# Allegro board 038RT-9068CJK8E-A100_0921.brd (continued)
## Placement (name value [footprint] x y rotation side) (continued)
UNK1CG31  0.1U-16-X7R-S4-TY  [C0402_UNBGA_V2]  602 201.02 270 bottom
UNK1CG32  0.1U-16-X7R-S4-TY  [C0402_UNBGA_V2]  603.2 201.42 0 bottom
UNK1CG33  0.1U-16-X7R-S4-TY  [C0402_UNBGA_V2]  593.6 203.02 0 bottom
UNK1CG34  0.1U-16-X7R-S4-TY  [C0402_UNBGA_V2]  593.6 203.82 0 bottom
UNK1CG35  0.1U-16-X7R-S4-TY  [C0402_UNBGA_V2]  592 210.22 0 bottom
UNK1CG36  0.1U-16-X7R-S4-TY  [C0402_UNBGA_V2]  601.6 203.82 0 bottom
UNK1CG37  0.1U-16-X7R-S4-TY  [C0402_UNBGA_V2]  592.8 204.62 0 bottom
UNK1CG38  0.1U-16-X7R-S4-TY  [C0402_UNBGA_V2]  603.6 202.62 90 bottom
UNK1CG39  2.2U-10-X7S-S4-MU  [C0402_UNBGA_V2]  592 205.42 0 bottom
UNK1CG40  2.2U-10-X7S-S4-MU  [C0402_UNBGA_V2]  602 202.62 90 bottom
UNK1CG41  2.2U-10-X7S-S4-MU  [C0402_UNBGA_V2]  592 207.82 0 bottom
UNK1CG42  0.1U-16-X7R-S4-TY  [C0402_UNBGA_V2]  592.8 208.62 0 bottom
UNK1CG43  2.2U-10-X7S-S4-MU  [C0402_UNBGA_V2]  602.8 202.62 90 bottom
UNK1CG44  0.1U-16-X7R-S4-TY  [C0402_UNBGA_V2]  592 206.22 0 bottom
UNK1CG45  10U-16-X7R-S8-SS  [C0805]  617.08 142.24 180 top
UNK1CG46  10U-16-X7R-S8-SS  [C0805]  622.79 142.24 180 top
UNK1CG47  47U-10-X7R-SB-MU  [C1210]  617.08 137.8 270 top
UNK1CG48  NC/100U-16-T-SC  [CODE_C]  617.08 129.54 270 top
UNK1CG49  47U-10-X7R-SB-MU  [C1210]  622.79 137.8 270 top
UNK1CG50  NC/100U-16-T-SC  [CODE_C]  622.79 129.54 270 top
UNK1CG51  0.1U-16-X7R-S4-TY  [C0402_UNBGA_V2]  600.4 201.02 270 bottom
UNK1CG52  0.1U-16-X7R-S4-TY  [C0402_UNBGA_V2]  604 203.82 180 bottom
UNK1CG53  0.1U-16-X7R-S4-TY  [C0402_UNBGA_V2]  601.2 201.02 270 bottom
UNK1CG54  0.1U-16-X7R-S4-TY  [C0402_UNBGA_V2]  593.6 206.22 0 bottom
UNK1CG55  0.1U-16-X7R-S4-TY  [C0402_UNBGA_V2]  603.2 210.22 0 bottom
UNK1CG56  0.1U-16-X7R-S4-TY  [C0402_UNBGA_V2]  602.8 211.42 90 bottom
UNK1CG57  2.2U-10-X7S-S4-MU  [C0402_UNBGA_V2]  604.8 203.02 0 bottom
UNK1CG58  0.1U-16-X7R-S4-TY  [C0402_UNBGA_V2]  603.6 211.42 90 bottom
UNK1CG59  0.1U-16-X7R-S4-TY  [C0402_UNBGA_V2]  592.8 201.42 180 bottom
UNK1CG60  0.1U-16-X7R-S4-TY  [C0402_UNBGA_V2]  592.8 202.22 180 bottom
UNK1CG61  2.2U-10-X7S-S4-MU  [C0402_UNBGA_V2]  604.4 205.02 90 bottom
UNK1CG62  2.2U-10-X7S-S4-MU  [C0402_UNBGA_V2]  603.2 209.42 0 bottom
UNK1CG63  2.2U-10-X7S-S4-MU  [C0402_UNBGA_V2]  604 199.82 180 bottom
UNK1CG64  2.2U-10-X7S-S4-MU  [C0402_UNBGA_V2]  592.8 207.02 180 bottom
UNK1CG65  2.2U-10-X7S-S4-MU  [C0402_UNBGA_V2]  601.2 202.62 90 bottom
UNK1CG66  2.2U-10-X7S-S4-MU  [C0402_UNBGA_V2]  603.2 208.62 0 bottom
UNK1CG67  2.2U-10-X7S-S4-MU  [C0402_UNBGA_V2]  600.4 202.62 90 bottom
UNK1CG68  0.1U-16-X7R-S4-TY  [C0402_UNBGA_V2]  601.6 209.42 180 bottom
UNK1CG69  2.2U-10-X7S-S4-MU  [C0402_UNBGA_V2]  602 205.82 90 bottom
UNK1CG70  2.2U-10-X7S-S4-MU  [C0402_UNBGA_V2]  604 200.62 180 bottom
UNK1CG71  0.1U-16-X7R-S4-TY  [C0402_UNBGA_V2]  601.6 208.62 180 bottom
UNK1CG72  0.1U-16-X7R-S4-TY  [C0402_UNBGA_V2]  600.4 209.82 270 bottom
UNK1CG73  0.1U-16-X7R-S4-TY  [C0402_UNBGA_V2]  601.6 207.82 0 bottom
UNK1CG74  10U-16-X7R-S8-SS  [C0805]  602.92 223.6 90 bottom
UNK1CG75  10U-16-X7R-S8-SS  [C0805]  594.49 225.94 180 bottom
UNK1CG76  47U-10-X7R-SB-MU  [C1210]  604.38 161.29 270 top
UNK1CG77  NC/100U-16-T-SC  [CODE_C]  598.03 152.4 270 top
UNK1CG78  47U-10-X7R-SB-MU  [C1210]  598.03 161.29 270 top
UNK1CG79  NC/100U-16-T-SC  [CODE_C]  604.38 152.4 270 top
UNK1CG80  1U-16-X-S6-TY  [C0603]  584.55 205.11 90 bottom
UNK1CG81  10U-16-X7R-S8-SS  [C0805]  582.8 205.14 90 bottom
UNK1CG82  1U-16-X-S6-TY  [C0603]  583.06 210.33 270 bottom
UNK1CG83  0.1U-16-X7R-S4-TY  [C0402_UNBGA_V2]  596.4 203.42 270 bottom
UNK1CG84  0.1U-16-X7R-S4-TY  [C0402_UNBGA_V2]  595.2 203.82 180 bottom
UNK1CG85  0.1U-16-X7R-S4-TY  [C0402_UNBGA_V2]  595.2 203.02 180 bottom
UNK1CG86  10U-16-X7R-S8-SS  [C0805]  581.31 210.36 270 bottom
UNK1CG87  1U-16-X-S6-TY  [C0603]  594.47 217.75 0 bottom
UNK1CG88  10U-16-X7R-S8-SS  [C0805]  594.5 219.5 0 bottom
UNK1CG89  0.1U-16-X7R-S4-TY  [C0402_UNBGA_V2]  584.24 196.34 90 bottom
UNK1CG90  1U-16-X-S6-TY  [C0603]  598.28 217.75 180 bottom
UNK1CG91  0.1U-16-X7R-S4-TY  [C0402_UNBGA_V2]  592.37 203.42 90 bottom
UNK1CG92  0.1U-16-X7R-S4-TY  [C0402_UNBGA_V2]  596 200.62 0 bottom
UNK1CG93  10U-16-X7R-S8-SS  [C0805]  566.28 156.21 180 top
UNK1CG94  10U-16-X7R-S8-SS  [C0805]  575.54 196.39 270 bottom
UNK1CG95  47U-10-X7R-SB-MU  [C1210]  559.93 151.13 270 top
UNK1CG96  10U-16-X7R-S8-SS  [C0805]  598.31 219.5 180 bottom
UNK1CG97  47U-10-X7R-SB-MU  [C1210]  566.28 151.13 270 top
UNK1CG98  1U-16-X-S6-TY  [C0603]  583.1 200.41 90 bottom
UNK1CG99  10U-16-X7R-S8-SS  [C0805]  581.34 200.44 90 bottom
UNK1CG100  1U-16-X-S6-TY  [C0603]  583.1 196.38 90 bottom
UNK1CG101  1U-16-X-S6-TY  [C0603]  603.31 232.55 0 top
UNK1CG102  1U-16-X-S6-TY  [C0603]  568.6 202.89 180 bottom
UNK1CG103  1U-16-X-S6-TY  [C0603]  568.6 206.07 180 bottom
UNK1CG104  1U-16-X-S6-TY  [C0603]  606.16 217.75 180 bottom
UNK1CG105  10U-16-X7R-S8-SS  [C0805]  606.19 219.5 180 bottom
UNK1CG106  1U-16-X-S6-TY  [C0603]  594.19 192.92 0 bottom
UNK1CG107  10U-16-X7R-S8-SS  [C0805]  594.16 191.16 0 bottom
UNK1CG108  10U-16-X7R-S8-SS  [C0805]  579.16 215.41 90 bottom
UNK1CG109  1U-16-X-S6-TY  [C0603]  573.35 205.14 270 bottom
UNK1CG110  1U-16-X-S6-TY  [C0603]  577.27 210.33 90 bottom
UNK1CG111  1U-16-X-S6-TY  [C0603]  594.49 223.92 180 bottom
UNK1CG112  1U-16-X-S6-TY  [C0603]  577.31 196.39 270 bottom
UNK1CG113  1U-10-X7R-S8  [C0805]  598.3 223.92 0 bottom
UNK1CG114  22U-10-X7S-S8-TDK  [C0805]  602.92 219.78 90 bottom
UNK1CG115  10U-16-X7R-S8-SS  [C0805]  598.3 225.94 0 bottom
UNK1CG116  10U-16-X7R-S8-SS  [C0805]  604.38 166.37 0 top
UNK1CG117  NC/100U-16-T-SC  [CODE_C]  591.68 152.4 270 top
UNK1CG118  47U-10-X7R-SB-MU  [C1210]  591.68 161.29 270 top
UNK1CG119  47U-10-X7R-SB-MU  [C1210]  585.33 161.29 270 top
UNK1CG120  NC/100U-16-T-SC  [CODE_C]  585.33 152.4 270 top
UNK1CG121  10U-16-X7R-S8-SS  [C0805]  585.33 166.37 0 top
UNK1CG122  10U-16-X7R-S8-SS  [C0805]  598.03 166.37 0 top
UNK1CG123  47U-10-X7R-SB-MU  [C1210]  572.63 161.29 270 top
UNK1CG124  NC/100U-16-T-SC  [CODE_C]  578.98 152.4 270 top
UNK1CG125  47U-10-X7R-SB-MU  [C1210]  578.98 161.29 270 top
UNK1CG126  NC/100U-16-T-SC  [CODE_C]  572.63 152.4 270 top
UNK1CG127  0.1U-16-X7R-S4-TY  [C0402_UNBGA_V2]  597.2 209.02 90 bottom
UNK1CG128  0.1U-16-X7R-S4-TY  [C0402_UNBGA_V2]  594.8 207.42 90 bottom
UNK1CG129  0.1U-16-X7R-S4-TY  [C0402_UNBGA_V2]  594.4 209.42 0 bottom
UNK1CG130  0.1U-16-X7R-S4-TY  [C0402_UNBGA_V2]  596 209.42 180 bottom
UNK1CG131  0.1U-16-X7R-S4-TY  [C0402_UNBGA_V2]  596 211.82 180 bottom
UNK1CG132  0.1U-16-X7R-S4-TY  [C0402_UNBGA_V2]  594.4 211.82 180 bottom
UNK1CG133  0.1U-16-X7R-S4-TY  [C0402_UNBGA_V2]  592.8 211.82 180 bottom
UNK1CG134  2.2U-10-X7S-S4-MU  [C0402_UNBGA_V2]  592.8 209.42 180 bottom
UNK1CG135  1U-16-X-S6-TY  [C0603]  575.24 215.41 270 bottom
UNK1CG136  2.2U-10-X7S-S4-MU  [C0402_UNBGA_V2]  601.2 213.82 90 bottom
UNK1CG137  0.1U-16-X7R-S4-TY  [C0402_UNBGA_V2]  601.2 212.22 270 bottom
UNK1CG138  0.1U-16-X7R-S4-TY  [C0402_UNBGA_V2]  604.8 214.22 0 bottom
UNK1CG139  0.1U-16-X7R-S4-TY  [C0402_UNBGA_V2]  604.4 213.02 270 bottom
UNK1CG140  1U-16-X-S6-TY  [C0603]  598.13 192.92 180 bottom
UNK1CG141  10U-16-X7R-S8-SS  [C0805]  598.1 191.16 180 bottom
UNK1CG142  10U-16-X7R-S8-SS  [C0805]  581.34 196.41 90 bottom
UNK1CG143  1U-16-X-S6-TY  [C0603]  580.92 215.38 90 bottom
UNK1CG144  1U-16-X-S6-TY  [C0603]  606.17 223.92 0 bottom
UNK1CG145  2.2U-10-X7S-S4-MU  [C0402_UNBGA_V2]  594 198.62 270 bottom
UNK1CG146  0.1U-16-X7R-S4-TY  [C0402_UNBGA_V2]  594.18 194.06 0 bottom
UNK1CG147  0.1U-16-X7R-S4-TY  [C0402_UNBGA_V2]  594.4 200.62 0 bottom
UNK1CG148  0.1U-16-X7R-S4-TY  [C0402_UNBGA_V2]  593.2 200.22 90 bottom
UNK1CG149  1U-16-X-S6-TY  [C0603]  594.18 187.13 180 bottom
UNK1CG150  2.2U-10-X7S-S4-MU  [C0402_UNBGA_V2]  599.6 198.62 270 bottom
UNK1CG151  0.1U-16-X7R-S4-TY  [C0402_UNBGA_V2]  599.6 200.22 90 bottom
UNK1CG152  0.1U-16-X7R-S4-TY  [C0402_UNBGA_V2]  602.8 200.22 90 bottom
UNK1CG154  1U-16-X-S6-TY  [C0603]  598.11 187.13 0 bottom
UNK1CG155  10U-16-X7R-S8-SS  [C0805]  575.54 200.42 270 bottom
UNK1CG156  10U-16-X7R-S8-SS  [C0805]  566.28 166.37 0 top
UNK1CG158  47U-10-X7R-SB-MU  [C1210]  566.28 161.29 270 top
UNK1CG159  47U-10-X7R-SB-MU  [C1210]  559.93 161.29 270 top
UNK1CG161  2.2U-10-X7S-S4-MU  [C0402_UNBGA_V2]  599.6 205.02 90 bottom
UNK1CG162  0.1U-16-X7R-S4-TY  [C0402_UNBGA_V2]  598.8 205.02 90 bottom
UNK1CG163  0.1U-16-X7R-S4-TY  [C0402_UNBGA_V2]  598.8 209.02 90 bottom
UNK1CG164  0.1U-16-X7R-S4-TY  [C0402_UNBGA_V2]  598 209.02 90 bottom
UNK1CG165  0.1U-16-X7R-S4-TY  [C0402_UNBGA_V2]  598.8 203.42 270 bottom
UNK1CG166  0.1U-16-X7R-S4-TY  [C0402_UNBGA_V2]  599.6 203.42 270 bottom
UNK1CG167  1U-16-X-S6-TY  [C0603]  577.31 200.42 270 bottom
UNK1CG169  10U-16-X7R-S8-SS  [C0805]  611.36 142.24 180 top
UNK1CG170  10U-16-X7R-S8-SS  [C0805]  623.43 166.37 180 top
UNK1CG171  47U-10-X7R-SB-MU  [C1210]  623.43 161.29 270 top
UNK1CG172  NC/100U-16-T-SC  [CODE_C]  611.36 129.54 270 top
UNK1CG173  47U-10-X7R-SB-MU  [C1210]  611.36 137.8 270 top
UNK1CG174  NC/100U-16-T-SC  [CODE_C]  623.43 152.4 270 top
UNK1CG178  10U-16-X7R-S8-SS  [C0805]  573.48 210.33 90 bottom
UNK1CG179  10U-16-X7R-S8-SS  [C0805]  575.51 210.33 90 bottom
UNK1CG180  10U-16-X7R-S8-SS  [C0805]  573.48 215.41 270 bottom
UNK1CG181  10U-16-X7R-S8-SS  [C0805]  606.17 225.94 0 bottom
UNK1CG182  10U-16-X7R-S8-SS  [C0805]  594.18 185.22 180 bottom
UNK1CG183  10U-16-X7R-S8-SS  [C0805]  598.11 185.22 0 bottom
UNK1CG326  1U-100-X7S-S8-TDK  [C0805]  623.43 208.61 90 bottom
UNK1CG327  4.7U-100-X-SB-MU  [C1210]  627.24 208.61 90 top
UNK1CH11  0.1U-16-X7R-S4-TY  [C0402]  375.07 20.59 270 top
UNK1CH21  0.1U-16-X7R-S4-TY  [C0402]  437.08 20.59 270 top
UNK1CH111  4.7U-25-X7R-S8-TY  [C0805]  397.3 52.96 180 bottom
UNK1CH112  0.1U-16-X7R-S4-TY  [C0402]  397.83 44.2 0 bottom
UNK1CH121  4.7U-25-X7R-S8-TY  [C0805]  405.41 54.99 0 bottom
UNK1CH122  0.1U-16-X7R-S4-TY  [C0402]  397.83 45.34 0 bottom
UNK1CH131  0.1U-16-X7R-S4-TY  [C0402]  427.28 20.37 0 bottom
UNK1CH141  4.7U-25-X7R-S8-TY  [C0805]  384.23 44.7 90 bottom
UNK1CH142  0.1U-16-X7R-S4-TY  [C0402]  400.1 42.33 0 bottom
UNK1CH152  0.1U-16-X7R-S4-TY  [C0402]  405.4 42.94 270 bottom
UNK1CH153  18P-50-N-S4-SS  [C0402]  409.17 47.5 180 bottom
UNK1CH154  18P-50-N-S4-SS  [C0402]  407.14 47.5 0 bottom
UNK1CH167  0.22U-16-X7R-S4-SS  [C0402]  398.95 48.26 270 top
UNK1CH168  0.22U-16-X7R-S4-SS  [C0402]  397.81 48.26 270 top
UNK1CH211  4.7U-25-X7R-S8-TY  [C0805]  459.31 52.96 180 bottom
UNK1CH212  0.1U-16-X7R-S4-TY  [C0402]  459.83 44.2 0 bottom
UNK1CH221  4.7U-25-X7R-S8-TY  [C0805]  467.42 54.99 0 bottom
UNK1CH222  0.1U-16-X7R-S4-TY  [C0402]  459.83 45.34 0 bottom
UNK1CH241  4.7U-25-X7R-S8-TY  [C0805]  446.24 44.7 90 bottom
UNK1CH242  0.1U-16-X7R-S4-TY  [C0402]  462.1 42.33 0 bottom
UNK1CH252  0.1U-16-X7R-S4-TY  [C0402]  467.4 42.94 270 bottom
UNK1CH253  18P-50-N-S4-SS  [C0402]  471.18 47.5 180 bottom
UNK1CH254  18P-50-N-S4-SS  [C0402]  469.15 47.5 0 bottom
UNK1CH267  0.22U-16-X7R-S4-SS  [C0402]  460.96 48.26 270 top
UNK1CH268  0.22U-16-X7R-S4-SS  [C0402]  459.82 48.26 270 top
UNK1CH1111  4.7U-25-X7R-S8-TY  [C0805]  386.66 40.12 180 bottom
UNK1CH1112  0.1U-16-X7R-S4-TY  [C0402]  400.1 39.53 0 bottom
UNK1CH1171  4.7U-25-X7R-S8-TY  [C0805]  397.95 32.56 270 bottom
UNK1CH1172  4.7U-25-X7R-S8-TY  [C0805]  405.29 31.47 270 bottom
UNK1CH1173  0.1U-16-X7R-S4-TY  [C0402]  397.75 36.19 180 bottom
UNK1CH1174  0.1U-16-X7R-S4-TY  [C0402]  397.75 34.93 180 bottom
UNK1CH1201  4.7U-25-X7R-S8-TY  [C0805]  396.17 29.72 180 bottom
UNK1CH1202  0.1U-16-X7R-S4-TY  [C0402]  400.29 37.78 90 bottom
UNK1CH1251  4.7U-25-X7R-S8-TY  [C0805]  396.17 27.5 180 bottom
UNK1CH1252  0.1U-16-X7R-S4-TY  [C0402]  402.3 37.72 90 bottom
UNK1CH1331  0.1U-16-X7R-S4-TY  [C0402]  404.7 37.72 90 bottom
UNK1CH1332  0.1U-16-X7R-S4-TY  [C0402]  427.08 31.83 0 bottom
UNK1CH1333  4.7U-25-X7R-S8-TY  [C0805]  427.88 33.86 0 bottom
UNK1CH1334  4.7U-25-X7R-S8-TY  [C0805]  427.88 36.4 0 bottom
UNK1CH1341  4.7U-25-X7R-S8-TY  [C0805]  407.32 31.47 270 bottom
UNK1CH1342  0.1U-16-X7R-S4-TY  [C0402]  405.85 37.72 90 bottom
UNK1CH1351  4.7U-25-X7R-S8-TY  [C0805]  411.86 34.54 0 bottom
UNK1CH1352  0.1U-16-X7R-S4-TY  [C0402]  407.49 37.2 180 bottom
UNK1CH1361  1U-16-X-S6-TY  [C0603]  417.74 40.05 270 bottom
UNK1CH1362  1U-16-X-S6-TY  [C0603]  417.74 43.74 90 bottom
UNK1CH1363  0.1U-16-X7R-S4-TY  [C0402]  411.77 38.8 270 bottom
UNK1CH1364  0.1U-16-X7R-S4-TY  [C0402]  410.63 38.8 270 bottom
UNK1CH1391  4.7U-25-X7R-S8-TY  [C0805]  411.86 36.57 0 bottom
UNK1CH1392  0.1U-16-X7R-S4-TY  [C0402]  407.49 38.34 180 bottom
UNK1CH1401  1U-16-X-S6-TY  [C0603]  416.26 40.05 270 bottom
UNK1CH1402  1U-16-X-S6-TY  [C0603]  414.79 40.05 270 bottom
UNK1CH1403  0.1U-16-X7R-S4-TY  [C0402]  407.49 42.91 180 bottom
UNK1CH1404  0.1U-16-X7R-S4-TY  [C0402]  407.49 41.77 180 bottom
UNK1CH1501  1U-16-X-S6-TY  [C0603]  414.79 43.74 90 bottom
UNK1CH1502  1U-16-X-S6-TY  [C0603]  416.26 43.74 90 bottom
UNK1CH1503  0.1U-16-X7R-S4-TY  [C0402]  407.49 40.62 180 bottom
UNK1CH1504  0.1U-16-X7R-S4-TY  [C0402]  407.49 39.48 180 bottom
UNK1CH1551  4.7U-25-X7R-S8-TY  [C0805]  405.41 52.93 0 bottom
UNK1CH1552  1U-16-X-S6-TY  [C0603]  404.28 46.68 90 bottom
UNK1CH1601  4.7U-25-X7R-S8-TY  [C0805]  401.74 52.93 180 bottom
UNK1CH1602  1U-16-X-S6-TY  [C0603]  402.87 46.68 90 bottom
UNK1CH1631  4.7U-25-X7R-S8-TY  [C0805]  401.74 54.99 180 bottom
UNK1CH1632  0.1U-16-X7R-S4-TY  [C0402]  401.6 46.99 90 bottom
UNK1CH1633  0.1U-16-X7R-S4-TY  [C0402]  386.84 38.48 180 bottom
UNK1CH1634  4.7U-25-X7R-S8-TY  [C0805]  386.66 36.89 180 bottom
UNK1CH2111  4.7U-25-X7R-S8-TY  [C0805]  448.67 40.12 180 bottom
UNK1CH2112  0.1U-16-X7R-S4-TY  [C0402]  462.1 39.53 0 bottom
UNK1CH2171  4.7U-25-X7R-S8-TY  [C0805]  459.96 32.56 270 bottom
UNK1CH2172  4.7U-25-X7R-S8-TY  [C0805]  467.3 31.47 270 bottom
UNK1CH2173  0.1U-16-X7R-S4-TY  [C0402]  459.76 36.19 180 bottom
UNK1CH2174  0.1U-16-X7R-S4-TY  [C0402]  459.76 34.93 180 bottom
UNK1CH2201  4.7U-25-X7R-S8-TY  [C0805]  458.18 29.72 180 bottom
UNK1CH2202  0.1U-16-X7R-S4-TY  [C0402]  462.3 37.78 90 bottom
UNK1CH2251  4.7U-25-X7R-S8-TY  [C0805]  458.18 27.5 180 bottom
UNK1CH2252  0.1U-16-X7R-S4-TY  [C0402]  464.31 37.72 90 bottom
UNK1CH2331  0.1U-16-X7R-S4-TY  [C0402]  466.71 37.72 90 bottom
UNK1CH2341  4.7U-25-X7R-S8-TY  [C0805]  469.33 31.47 270 bottom
UNK1CH2342  0.1U-16-X7R-S4-TY  [C0402]  467.86 37.72 90 bottom
UNK1CH2351  4.7U-25-X7R-S8-TY  [C0805]  473.87 34.54 0 bottom
UNK1CH2352  0.1U-16-X7R-S4-TY  [C0402]  469.49 37.2 180 bottom
UNK1CH2361  1U-16-X-S6-TY  [C0603]  479.74 40.05 270 bottom
UNK1CH2362  1U-16-X-S6-TY  [C0603]  479.74 43.74 90 bottom
UNK1CH2363  0.1U-16-X7R-S4-TY  [C0402]  473.78 38.8 270 bottom
UNK1CH2364  0.1U-16-X7R-S4-TY  [C0402]  472.64 38.8 270 bottom
UNK1CH2391  4.7U-25-X7R-S8-TY  [C0805]  473.87 36.57 0 bottom
UNK1CH2392  0.1U-16-X7R-S4-TY  [C0402]  469.49 38.34 180 bottom
UNK1CH2401  1U-16-X-S6-TY  [C0603]  478.27 40.05 270 bottom
UNK1CH2402  1U-16-X-S6-TY  [C0603]  476.8 40.05 270 bottom
UNK1CH2403  0.1U-16-X7R-S4-TY  [C0402]  469.49 42.91 180 bottom
UNK1CH2404  0.1U-16-X7R-S4-TY  [C0402]  469.49 41.77 180 bottom
UNK1CH2501  1U-16-X-S6-TY  [C0603]  476.8 43.74 90 bottom
UNK1CH2502  1U-16-X-S6-TY  [C0603]  478.27 43.74 90 bottom
UNK1CH2503  0.1U-16-X7R-S4-TY  [C0402]  469.49 40.62 180 bottom
UNK1CH2504  0.1U-16-X7R-S4-TY  [C0402]  469.49 39.48 180 bottom
UNK1CH2551  4.7U-25-X7R-S8-TY  [C0805]  467.42 52.93 0 bottom
UNK1CH2552  1U-16-X-S6-TY  [C0603]  466.29 46.68 90 bottom
UNK1CH2601  4.7U-25-X7R-S8-TY  [C0805]  463.75 52.93 180 bottom
UNK1CH2602  1U-16-X-S6-TY  [C0603]  464.88 46.68 90 bottom
UNK1CH2631  4.7U-25-X7R-S8-TY  [C0805]  463.75 54.99 180 bottom
UNK1CH2632  0.1U-16-X7R-S4-TY  [C0402]  463.61 46.99 90 bottom
UNK1CH2633  0.1U-16-X7R-S4-TY  [C0402]  448.85 38.48 180 bottom
UNK1CH2634  4.7U-25-X7R-S8-TY  [C0805]  448.67 36.89 180 bottom
UNK1CMOS1  DMC1015UPD-13-POWERDI5060-8  [TRANS_POWERPAK_8P]  359.89 227.33 90 bottom
UNK1CON1  RJ45-1X1-D90-KINSUN-1  [CONN_RJ45_1X1D90_8P_90754D]  682.83 58.04 270 bottom
UNK1CON3  RJ45-1X1-D90-KINSUN-1  [CONN_RJ45_1X1D90_8P_90754D]  682.83 25.65 270 bottom
UNK1CS1  22U-10-X7S-S8-TDK  [C0805]  580.84 38.55 180 top
UNK1CS2  100P-50-N-S4-YA  [C0402]  574.17 40.14 0 top
UNK1CS3  22U-10-X7S-S8-TDK  [C0805]  584.65 42.68 90 top
UNK1CS4  22U-10-X7S-S8-TDK  [C0805]  587.19 42.68 90 top
UNK1CS5  22P-50-N-S4-YA  [C0402]  574.17 42.68 180 top
UNK1CS61  0.1U-16-X7R-S4-TY  [C0402]  560.6 183.32 0 bottom
UNK1CS62  0.1U-16-X7R-S4-TY  [C0402]  560.6 184.48 0 bottom
UNK1CS63  0.1U-16-X7R-S4-TY  [C0402]  560.6 185.82 0 bottom
UNK1CS64  0.1U-16-X7R-S4-TY  [C0402]  560.6 186.99 0 bottom
UNK1CS71  0.1U-16-X7R-S4-TY  [C0402]  560.6 192.33 0 bottom
UNK1CS72  0.1U-16-X7R-S4-TY  [C0402]  560.6 193.5 0 bottom
UNK1CS73  0.1U-16-X7R-S4-TY  [C0402]  560.6 194.84 0 bottom
UNK1CS74  0.1U-16-X7R-S4-TY  [C0402]  560.6 196.01 0 bottom
UNK1CS101  0.1U-16-X7R-S4-TY  [C0402]  567.57 215.16 0 top
UNK1CS102  0.1U-16-X7R-S4-TY  [C0402]  567.57 216.33 0 top
UNK1CS103  0.22U-16-X7R-S4-SS  [C0402]  452.7 186.7 0 bottom
UNK1CS104  0.22U-16-X7R-S4-SS  [C0402]  452.7 185.53 0 bottom
UNK1CS107  0.1U-16-X7R-S4-TY  [C0402]  559.12 208.98 0 bottom
UNK1CS108  0.1U-16-X7R-S4-TY  [C0402]  559.12 210.15 0 bottom
UNK1CS111  0.1U-16-X7R-S4-TY  [C0402]  567.57 212.65 0 top
UNK1CS112  0.1U-16-X7R-S4-TY  [C0402]  567.57 213.82 0 top
UNK1CS113  0.22U-16-X7R-S4-SS  [C0402]  452.7 194.7 0 bottom
UNK1CS114  0.22U-16-X7R-S4-SS  [C0402]  452.7 193.53 0 bottom
UNK1CS117  0.1U-16-X7R-S4-TY  [C0402]  559.12 206.12 0 bottom
UNK1CS118  0.1U-16-X7R-S4-TY  [C0402]  559.12 207.29 0 bottom
UNK1GPHY2  CU/CONN-F-9-2304372-9-TE-V2  [CONN_SPECIFIC_8P_TE_V2]  679.31 238.12 270 bottom
UNK1GPHY3  CU/CONN-F-9-2304372-9-TE-V2  [CONN_SPECIFIC_8P_TE_V2]  679.31 219.07 270 bottom
UNK1HOST1  RTL9210-QFN68/CU/RTL9210-QFN68-8X8  [SK_QFN8X8_68P_0P4MM_ISC]  402.7 40.33 0 top
UNK1HOST2  RTL9210-QFN68/CU/RTL9210-QFN68-8X8  [SK_QFN8X8_68P_0P4MM_ISC]  464.71 40.33 0 top
UNK1K4  CU/EC2-12NJ-A  [RL_NAL_12V]  360.65 47.62 270 top
UNK1K5  CU/EC2-12NJ-A  [RL_NAL_12V]  497.42 49.96 270 top
UNK1K6  CU/EC2-12NJ-A  [RL_NAL_12V]  527.88 33.02 270 top
UNK1K7  CU/EC2-12NJ-A  [RL_NAL_12V]  540.27 16.69 270 top
UNK1K8  CU/EC2-12NJ-A  [RL_NAL_12V]  486.37 245.82 90 bottom
UNK1K9  CU/EC2-12NJ-A  [RL_NAL_12V]  496.99 245.82 90 bottom
UNK1K10  CU/EC2-12NJ-A  [RL_NAL_12V]  507.55 245.82 90 bottom
UNK1K11  CU/EC2-12NJ-A  [RL_NAL_12V]  371.95 220.09 0 bottom
UNK1K34  CU/UA2-12NJ-A-V2_EX  [RL_NECUA2_12V_V2]  432.88 213.23 180 bottom
UNK1K52  CU/UA2-12NJ-A-V2  [RL_NECUA2_12V_V2]  633.1 149.52 90 top
UNK1K54  CU/UA2-12NJ-A-V2  [RL_NECUA2_12V_V2]  633.1 162.23 90 top
UNK1K56  CU/UA2-12NJ-A-V2  [RL_NECUA2_12V_V2]  640.14 149.52 90 top
UNK1K58  CU/UA2-12NJ-A-V2  [RL_NECUA2_12V_V2]  640.14 162.23 90 top
UNK1K60  CU/UA2-12NJ-A-V2  [RL_NECUA2_12V_V2]  377.21 204.6 180 bottom
UNK1K64  CU/UA2-12NJ-A-V2  [RL_NECUA2_12V_V2]  351.8 204.6 0 bottom
UNK1K82  CU/EC2-12NJ-A  [RL_NAL_12V]  540.09 33.03 270 top
UNK1K124  CU/UA2-12NJ-A-V2  [RL_NECUA2_12V_V2]  533.38 224.16 180 bottom
UNK1K130  CU/UA2-12NJ-A-V2  [RL_NECUA2_12V_V2]  377.21 211.71 180 bottom
UNK1K140  CU/UA2-12NJ-A-V2  [RL_NECUA2_12V_V2]  351.8 211.71 0 bottom
UNK1K144  PI3DBS12412AZHE-TQFN42  [TQFN9X3P5_42P_0P5MM_EP]  646.92 220.98 0 bottom
UNK1K145  PI3DBS12412AZHE-TQFN42  [TQFN9X3P5_42P_0P5MM_EP]  661.53 227.33 180 bottom
UNK1K180  CU/UA2-12NJ-A-V2  [RL_NECUA2_12V_V2]  486.11 230.37 180 bottom
UNK1K181  CU/UA2-12NJ-A-V2  [RL_NECUA2_12V_V2]  501.87 230.37 180 bottom
UNK1K182  CU/UA2-12NJ-A-V2  [RL_NECUA2_12V_V2]  517.63 217.96 180 bottom
UNK1K183  CU/UA2-12NJ-A-V2  [RL_NECUA2_12V_V2]  501.87 217.96 180 bottom
UNK1K184  PI3DBS12412AZHE-TQFN42  [TQFN9X3P5_42P_0P5MM_EP]  553.58 191.66 0 bottom
UNK1K211  CU/UA2-12NJ-A-V2  [RL_NECUA2_12V_V2]  370.36 53.96 270 top
UNK1K212  CU/UA2-12NJ-A-V2  [RL_NECUA2_12V_V2]  376.57 53.96 270 top
UNK1K213  PI3DBS12412AZHE-TQFN42_EX  [TQFN9X3P5_42P_0P5MM_EP]  445.46 193.12 0 bottom
UNK1K214  PI3DBS12412AZHE-TQFN42_EX  [TQFN9X3P5_42P_0P5MM_EP]  467.68 193.12 0 bottom
UNK1K217  PI3DBS12412AZHE-TQFN42_EX  [TQFN9X3P5_42P_0P5MM_EP]  553.58 207.82 0 bottom
UNK1K220  CU/UA2-12NJ-A-V2  [RL_NECUA2_12V_V2]  438.58 53.96 270 top
UNK1K221  CU/UA2-12NJ-A-V2  [RL_NECUA2_12V_V2]  432.37 53.96 270 top
UNK1K223  CU/EC2-12NJ-A  [RL_NAL_12V]  371.95 227.71 0 bottom
UNK1K225  CU/UA2-12NJ-A-V2  [RL_NECUA2_12V_V2]  533.78 199.69 0 bottom
UNK1K226  CU/UA2-12NJ-A-V2  [RL_NECUA2_12V_V2]  533.78 206.04 0 bottom
UNK1K227  CU/UA2-12NJ-A-V2  [RL_NECUA2_12V_V2]  533.78 186.99 0 bottom
UNK1K228  CU/UA2-12NJ-A-V2  [RL_NECUA2_12V_V2]  533.78 193.34 0 bottom
UNK1K231  CU/UA2-12NJ-A-V2  [RL_NECUA2_12V_V2]  501.87 224.16 180 bottom
UNK1K232  CU/UA2-12NJ-A-V2  [RL_NECUA2_12V_V2]  517.63 230.37 180 bottom
UNK1K233  CU/UA2-12NJ-A-V2  [RL_NECUA2_12V_V2]  517.63 224.16 180 bottom
UNK1K240  CU/UA2-12NJ-A-V2  [RL_NECUA2_12V_V2]  546.03 52.15 90 top
UNK1K241  CU/UA2-12NJ-A-V2  [RL_NECUA2_12V_V2]  532.06 51.75 270 top
UNK1K242  CU/UA2-12NJ-A-V2  [RL_NECUA2_12V_V2]  539.68 52.15 90 top
UNK1K243  CU/UA2-12NJ-A-V2  [RL_NECUA2_12V_V2]  525.71 51.75 270 top
UNK1L3  L2.2U-10A-S6.8X6.6-BO  [IND_6P6X6P4XH5MM]  352.9 227.33 90 bottom
UNK1LH11  L2.2U-1.15A-S2.0X1.6-TDK  [IND_VL252012E]  393.69 36.83 0 bottom
UNK1LH21  L2.2U-1.15A-S2.0X1.6-TDK  [IND_VL252012E]  455.7 36.83 0 bottom
UNK1LX1  L1U-3.3A-S2.5X2-TY  [IND_VL252012E]  577.03 42.68 90 top
UNK1MQS1  MQS-9X2-MR  [CONN_19635391_18P_90]  683.79 105.03 90 bottom
UNK1PT1  PT-RJ45-1X1-20X18X12  [RJ45_1X1D90_8P_PROTECTOR]  8.31 184.4 90 bottom
UNK1PT3  PT-RJ45-1X1-20X18X12  [RJ45_1X1D90_8P_PROTECTOR]  8.31 152.02 90 bottom
UNK1PT23  PT-CONN-2X1-50X16X11  [PROTECTOR_CONN_SPECIFIC_2PORT]  679.31 228.6 90 bottom
UNK1R2  NC/100K-1-S4  [R0402]  358.41 205.42 180 bottom
UNK1R3  NC/100K-1-S4  [R0402]  370.6 203.27 0 bottom
UNK1R5  NC/100K-1-S4  [R0402]  358.41 213.04 180 bottom
UNK1R6  NC/100K-1-S4  [R0402]  633.37 216.83 180 top
UNK1R7  NC/100K-1-S4  [R0402]  633.37 223.31 180 top
UNK1R9  NC/100K-1-S4  [R0402]  620.85 212.1 0 bottom
UNK1R10  NC/100K-1-S4  [R0402]  370.6 210.89 0 bottom
UNK1R18  0-5-S8  [R0805]  594.04 21.8 270 top
UNK1R19  NC/100K-1-S4  [R0402]  620.85 207.4 0 bottom
UNK1R20  0-5-S8  [R0805]  660.07 18.73 0 bottom
UNK1R21  0-5-S8  [R0805]  666.92 84.65 270 bottom
UNK1R24  1M-1-S4  [R0402]  593.58 234.83 90 bottom
UNK1R26  10K-1-S4  [R0402]  593.58 232.42 90 bottom
UNK1R45  NC/10K-1-S4  [R0402]  574.53 234.83 90 bottom
UNK1R46  NC/10K-1-S4  [R0402]  575.8 234.83 90 bottom
UNK1R56  NC/1K-1-S4  [R0402]  621.84 192.1 270 bottom
UNK1R60  10K-1-S4  [R0402]  580.88 234.83 90 bottom
UNK1R61  10K-1-S4  [R0402]  588.5 234.83 90 bottom
UNK1R62  10K-1-S4  [R0402]  585.96 232.42 270 bottom
UNK1R63  NC/10K-1-S4  [R0402]  592.31 234.83 90 bottom
UNK1R64  NC/10K-1-S4  [R0402]  589.77 234.83 90 bottom
UNK1R66  NC/10K-1-S4  [R0402]  587.23 234.83 90 bottom
UNK1R67  NC/10K-1-S4  [R0402]  582.15 234.83 90 bottom
UNK1R68  NC/10K-1-S4  [R0402]  591.04 234.83 90 bottom
UNK1R69  24K-1-S4  [R0402]  606.47 205.72 270 bottom
UNK1R70  10K-1-S4  [R0402]  578.34 234.83 90 bottom
UNK1R71  10K-1-S4  [R0402]  579.61 234.83 90 bottom
UNK1R105  NC/0-5-S4  [R0402]  432.16 216.86 180 bottom
UNK1R110  24K-1-S4  [R0402]  405.8 214.69 0 bottom
UNK1R126  100-1-S4  [R0402]  633.1 155.68 0 top
UNK1R130  100-1-S4  [R0402]  640.14 155.68 0 top
UNK1R133  75-1-S4  [R0402]  630.59 126.77 270 top
UNK1R134  75-1-S4  [R0402]  636.62 126.77 270 top
UNK1R135  75-1-S4  [R0402]  636.62 107.23 270 bottom
UNK1R136  75-1-S4  [R0402]  630.59 107.23 270 bottom
UNK1R137  0-5-S4  [R0402]  659.43 16.83 0 bottom
UNK1R138  3.9K-1-S4  [R0402]  664.7 17.15 270 bottom
UNK1R139  1K-1-S4  [R0402]  633.37 219.37 0 top
UNK1R140  1K-1-S4  [R0402]  633.37 220.77 0 top
UNK1R141  1K-1-S4  [R0402]  633.37 224.58 0 top
UNK1R142  1K-1-S4  [R0402]  633.37 225.98 0 top
UNK1R149  1K-1-S4  [R0402]  360.56 206.82 180 bottom
UNK1R150  1K-1-S4  [R0402]  360.56 205.42 180 bottom
UNK1R155  1K-1-S4  [R0402]  368.45 201.86 0 bottom
UNK1R156  1K-1-S4  [R0402]  368.45 203.27 0 bottom
UNK1R263  NC/10K-1-S4  [R0402]  585.96 234.83 90 bottom
UNK1R264  NC/10K-1-S4  [R0402]  588.5 232.42 270 bottom
UNK1R275  1M-1-S6  [R0603]  532.96 38.95 90 bottom
UNK1R276  1M-1-S6  [R0603]  544.8 37.26 270 top
UNK1R281  10K-1-S4  [R0402]  574.53 232.42 270 bottom
UNK1R282  10K-1-S4  [R0402]  575.8 232.42 270 bottom
UNK1R309  NC/10K-1-S25-ST  [R2512]  550.18 28.76 0 top
UNK1R327  1K-1-S4  [R0402]  535.68 220.72 180 bottom
UNK1R328  1K-1-S4  [R0402]  535.68 227.6 180 bottom
UNK1R342  10K-1-S4  [R0402]  562.97 52.49 90 bottom
UNK1R343  10K-1-S4  [R0402]  568.05 52.49 90 bottom
UNK1R344  10K-1-S4  [R0402]  552.81 52.49 90 bottom
UNK1R345  10K-1-S4  [R0402]  557.89 52.49 90 bottom
UNK1R347  0-5-S4  [R0402]  583.42 232.42 90 bottom
UNK1R348  0-5-S4  [R0402]  584.69 232.42 90 bottom
UNK1R350  1K-1-S4  [R0402]  583.42 234.83 270 bottom
UNK1R351  1K-1-S4  [R0402]  584.69 234.83 90 bottom
